# KiCad board weisse_cpu.kicad_pcb (continued)
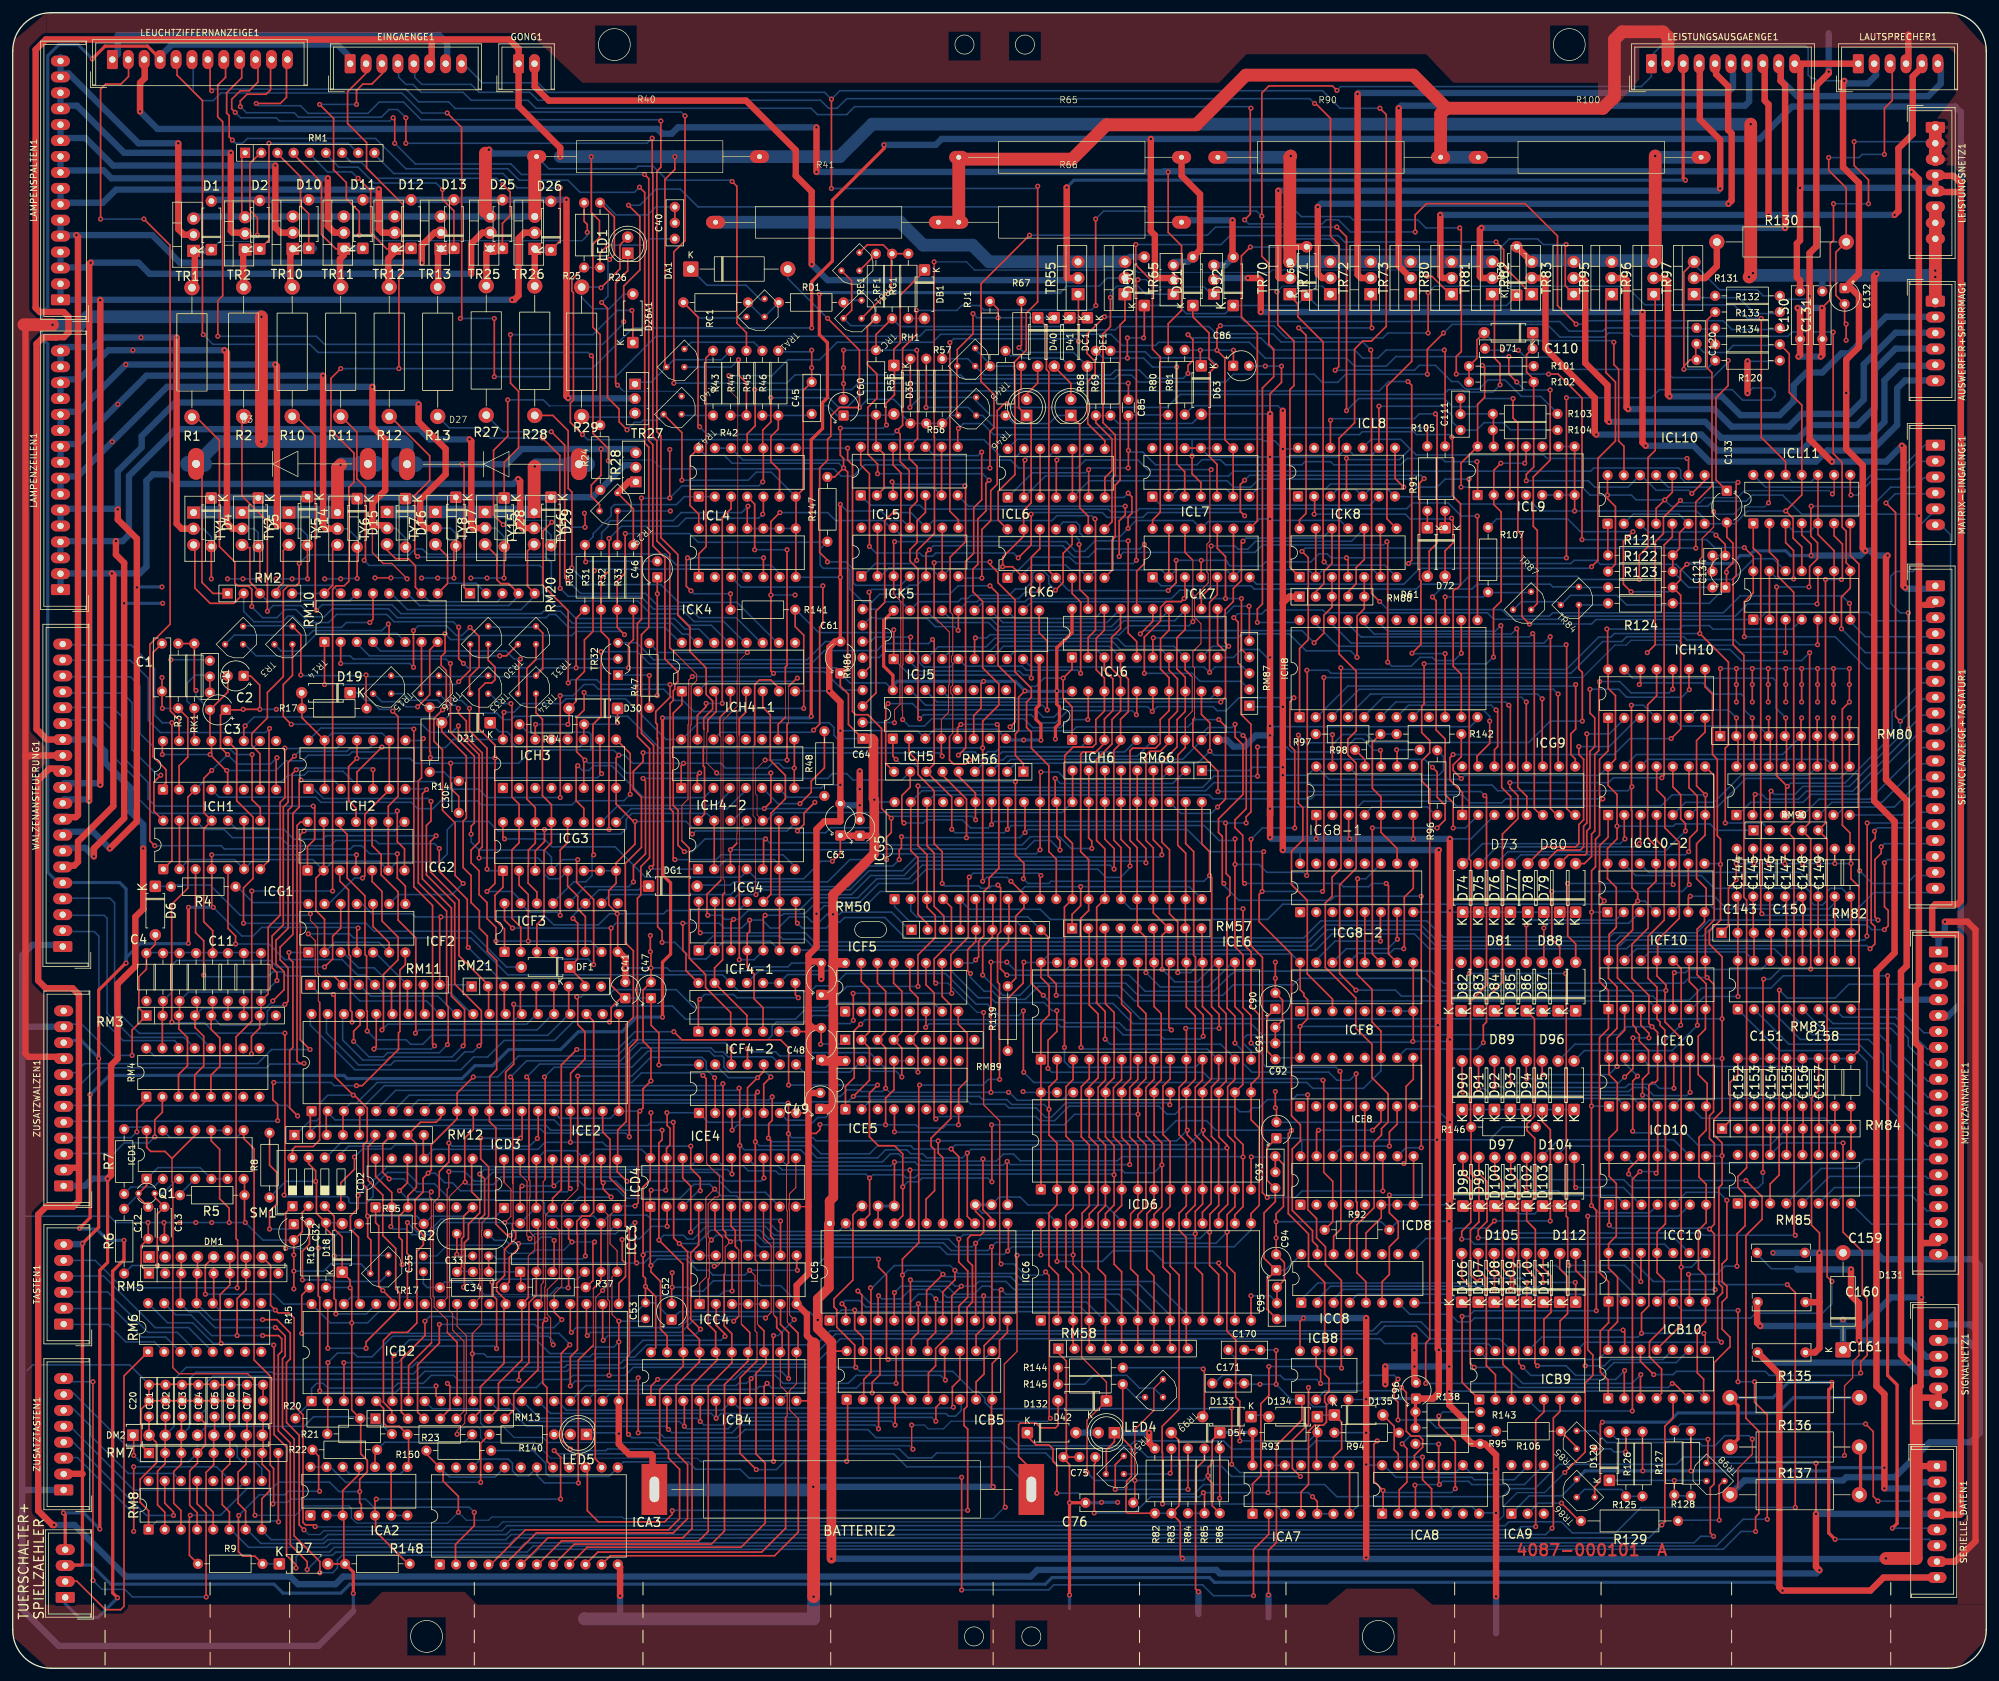
[diagram p0: board, top side]
## Routing (per net, layer and track width the routed paths; a pad name or vN(x,y) marks a point on that pad's centre or on a via; arc(x,y) is an arc through that point) (continued)
PA7: length 578.7
  Top w0.25: v1(211,106.5) 208.43,109.07 208.43,123.02 211.03,125.62 211.03,142.13 209.71,143.45 209.71,145.9 211.03,147.21 211.03,156.61 208.34,159.3 208.34,193.17 210.77,195.6 210.77,207.16 212.04,208.43 213.43,208.43 215.75,210.75 215.75,244 v1(214.75,245) ; v1(128.6,246.43) v1(128.6,232.4) ; 157.32,204.07 157.32,205.12 159.2,207 159.2,212.8 160.99,214.59 160.99,232.74 v1(161,232.75) ; 157.43,203.97 157.43,187.46 154.79,184.83 154.79,180.33 ICK6.14
  Top w0.5: v1(295.25,22) 296,22.75 296,44.5 294.5,46 v1(294.5,108.75)
  Bottom w0.25: v1(214.75,245) 208.5,245 205.75,247.75 129.93,247.75 v1(128.6,246.43) 127.52,247.5 84,247.5 82.5,249 73.78,249 70.78,252 ; v1(161,232.75) 160.65,232.4 v1(128.6,232.4) ; v1(211,106.5) 217.2,106.5 218.14,105.56 257.64,105.56 258.27,104.92 263.35,104.92 265.26,106.83 276.18,106.83 278.1,108.75 v1(294.5,108.75) ; 301.84,22 v1(295.25,22)
PA7in: length 55.4
  Top w0.25: v1(160,155.5) 160,174.5 161.33,175.83 ICK6.12 ; v1(141.05,161.95) 140.92,161.81 ICJ5.2
  Bottom w0.25: 140.92,158.09 142.4,156.61 158.1,156.61 158.73,155.98 159.52,155.98 v1(160,155.5) ; RM86.7 134.76,161.24 135.46,161.95 v1(141.05,161.95)
POWER_GOOD: length 63
  Top w0.25: v1(187.02,27.58) 187.2,27.4 R85.1 ; ICA7.5 204.91,26.2 v1(204.17,26.94) ; C75.1 170.05,32.2 169.88,32.02 v1(169.88,24.4) ; v1(197.19,27.58) 197.29,27.69 ICA7.13
  Bottom w0.25: v1(169.88,24.4) 176.23,24.4 178.74,26.91 186.36,26.91 v1(187.02,27.58) v1(197.19,27.58) 203.54,27.58 v1(204.17,26.94) ; R85.1 R84.1 ; ICA7.13 ICA7.12 ; ICA7.5 ICA7.6
RAM_CE: length 74.7
  Top w0.25: 181.82,70.23 181.82,63.14 183.21,61.74 183.21,40.66 180.55,37.99 180.55,33.93 180.6,33.88 v1(180.6,25.8) ; v1(189.56,26.69) 189.6,26.73 R86.2
  Bottom w0.25: 189.6,25.8 189.56,25.83 v1(189.56,26.69) ; 189.6,25.8 198.28,25.8 ICA7.3 ; 189.6,25.8 v1(180.6,25.8)
RAM_EN: length 133.2
  Top w0.25: v1(200.87,84.48) 200.36,83.97 200.36,71.39 203.54,68.22 203.54,63.14 206.07,60.6 206.07,46.18 206.75,45.5 206.75,43.5 206.07,42.82 206.07,41.81 206.35,41.53 206.35,38.65 205.88,38.18 204.49,38.18 203.54,37.22 203.54,28.85 202.37,27.69 ICA7.4 ; 138.5,87.7 v1(138.5,84.25)
  Bottom w0.25: v1(138.5,84.25) 138.55,84.2 180.95,84.2 182.75,86 187.5,86 189,84.5 200.84,84.5 v1(200.87,84.48)
RAMVCC: length 392.1
  Top w0.2: v1(168.75,30.75) 168.75,38.95 D132.1 171.8,44.95 167.89,48.86 167.89,62.08 166.56,63.41 v1(166.56,64.92) 166.56,70.25 ; v1(157.75,64.85) 157.75,49.75 155.75,47.75 155.75,25.45 v1(155.91,25.29) ; 25.01,80.07 25.01,76.4 25.15,76.27 25.15,47.22 26.12,46.25 36.91,46.25 37.9,45.26 37.9,35 37.93,34.97 37.93,24.15 v1(38.05,24.02) ; 176.25,26.25 v1(176.25,29.5) 176.25,37.5 179.25,40.5 179.25,43.95 TR99.1 ; v1(161.5,64.92) ICC6.28
  Top w0.25: ICD1.14 21.04,81.81 21.67,81.17 23.91,81.17 25.01,80.07 28.66,83.71 ICD1.11 ; D54.1 188.4,35.8 188.4,32.15 187.75,31.5 v1(187.75,30.25) 187.75,29.75 188.4,29.1 188.4,25.54 R86.1 ; 64.98,33.66 ICA3.24 ; v1(70,24.5) 70,27 67.6,29.4 67.6,31.54
  Top w0.5: ICA7.14 194.75,37
  Bottom w0.2: v1(166.56,64.92) v1(161.5,64.92) 157.82,64.92 v1(157.75,64.85) ; v1(155.91,25.29) 155.79,25.29 154.02,23.52 95.98,23.52 95.75,23.75 75.25,23.75 74.75,23.25 71.25,23.25 v1(70,24.5) 68.3,22.8 54,22.8 53.2,23.6 53.2,25.12 52.82,25.5 45.88,25.5 44.4,24.02 v1(38.05,24.02)
  Bottom w0.25: v1(187.75,30.25) 187,29.5 v1(176.25,29.5) 170,29.5 v1(168.75,30.75) ; ICD1.14 20.53,84.98 17.82,84.98 ; ICA3.24 68.62,30.02 75.75,30.02 ICA3.20
  Bottom w0.5: R93.1 189.65,37.05
RESET: length 327.3
  Top w0.25: v1(156.8,123.59) 158.84,121.55 ICG5.9 158.84,119.41 157.54,118.11 157.54,108.35 R139.2 ; RE1.1 134.25,210.64 134.25,204.75 135.75,203.25 135.75,199.44 134.32,198.01 134.32,195.73 134.32,195.72 134.32,190.64 135.84,189.12 v1(135.84,187.6) ; D21.2 67.38,147.12 71.25,143.25 71.25,133.55 70.75,133.05 70.75,125.75 72,124.5 72,120.25 73.3,118.95 73.3,116.25 74.55,115 74.55,112.6 76.01,111.14 76.01,94.01 74.93,92.93 74.93,87.55 ; v1(152.35,123.59) v1(152.35,144.55) 152.35,148.74 154.89,151.28 154.89,154.58 152.35,157.12 152.35,167.53 150.83,169.06 150.83,172.61 151.59,173.38 151.59,180.49 152.86,181.76 152.86,186.08 v1(153.37,186.58) ; v1(78.19,67.97) 77.68,67.97 75.9,69.74 75.9,84.85 74.88,85.87 ICE2.12
  Bottom w0.25: v1(78.19,67.97) 78.95,68.73 93.8,68.73 ICC3.8 ; v1(152.35,123.59) 152.99,124.23 156.16,124.23 v1(156.8,123.59) ; D21.2 68.88,150 76.03,150 77.04,148.99 78.31,148.99 78.82,149.5 96.6,149.5 101.55,144.55 v1(152.35,144.55) ; v1(153.37,186.58) 152.35,187.6 v1(135.84,187.6)
RL0: length 276.3
  Top w0.25: ICB9.1 227.67,44.89 v1(227.67,55.27) ; ICG5.38 143.6,129.17 144.73,128.04 144.73,119.66 146.26,118.13 RM50.3 ; v1(248.75,56.15) 248.75,71.9 v1(247.99,72.67) 247.99,118.74 v1(248,118.75) 248,125.26 248.62,125.88 248.62,130.2 249.25,130.83 249.25,136.04 v1(249.76,136.55) 249.25,137.06 249.25,142.75 250.6,144.1 ICH10.1
  Bottom w0.25: v1(247.99,88.29) 250.71,88.29 ; v1(249.76,136.55) 234.52,136.55 233.89,135.91 228.94,135.91 227.67,137.18 204.55,137.18 203.92,136.55 188.55,136.55 187.93,137.16 144.73,137.16 ICG5.38 ; v1(227.67,55.27) 228.68,55.27 229.57,56.15 v1(248.75,56.15) ; v1(247.99,72.67) 249.13,71.52 257.1,71.52 ICD10.4 ; ICG10-2.1 v1(248,118.75)
RL1: length 282.6
  Top w0.25: v1(254.4,40.4) 254.43,40.43 254.43,76.82 v1(255.61,78) ; ICG5.39 141.06,128.41 142.19,127.28 142.19,118.38 143.72,116.86 RM50.2 ; v1(256,90) 256,92.5 256.96,93.46 256.96,97.04 255.5,98.5 255.5,99.5 255,100 255,100.5 254.5,101 254.5,106 252.07,108.43 252.07,113.57 254.45,115.95 254.45,119.7 v1(255.25,120.5) 255.25,121.66 254.33,122.58 254.33,134.64 254.26,134.71 254.26,151.24 v1(254.25,151.25) ; 258.38,88.24 ICD10.11 258.38,77.98 v1(258.14,77.75)
  Bottom w0.25: ICG5.39 142.84,137.82 187.41,137.82 188.68,139.09 203.66,139.09 204.04,138.71 232.36,138.71 233.25,137.82 253.7,137.82 v1(254.33,138.45) ; v1(258.14,77.75) 257.89,78 v1(255.61,78) ; v1(254.4,40.4) 239.78,40.4 ICB9.4 ; v1(256,90) 256.67,90 258.47,88.2 ; 258.6,148.8 256.14,151.25 v1(254.25,151.25) ; v1(255.25,120.5) 256.37,120.5 ICG10-2.4
RL2: length 274.8
  Top w0.25: v1(265.64,52.6) 265.84,52.4 ICB10.8 ; ICH10.11 258.22,152.72 256.81,151.31 256.81,134.81 256.8,134.8 256.81,134.79 256.81,130.4 258.12,129.08 ICG10-2.11 258.12,123.62 256.88,122.38 256.88,116.23 254.33,113.69 254.33,108.35 257,105.69 257,101.25 v1(257.5,100.75) 258.37,99.88 ICE10.11 258.37,92.37 258,92 257.5,92 257,91.5 257,56.92 255.85,55.76 v1(255.85,52.6) ; RM50.8 160,114.93 160,114.5 159.97,114.47 159.97,107.59 v1(161.88,105.69)
  Bottom w0.25: ICB9.11 240.16,52 255.25,52 v1(255.85,52.6) v1(265.64,52.6) ; v1(161.88,105.69) 163.15,104.41 172.8,104.41 175.98,101.24 194.52,101.24 196.26,99.5 252.25,99.5 253.5,100.75 v1(257.5,100.75) ; RM50.8 157.56,117.38 156.02,117.38 156.02,117.37 154.42,117.37 154.42,117.38 140.79,117.38 138.52,119.65 ICG5.1
RL3: length 282
  Top w0.25: ICH10.8 265.84,154.12 267,152.96 267,143.5 267.75,142.75 267.75,130.75 268.25,130.25 v1(268.25,126.25) 268.25,117.5 266.5,115.75 266.5,113.75 268.5,111.75 v1(268.5,102) v1(268.5,95.75) 268.5,87.5 267.25,86.25 267.25,83.75 268.5,82.5 v1(268.5,80.5) 268.5,76 268,75.5 268,60.4 268.56,59.84 268.56,58.96 267.8,58.2 267.8,51.8 v1(268.4,51.2) ; RM50.9 162.64,114.83 162.64,108.73 163.91,107.46 v1(163.91,105.69)
  Bottom w0.25: v1(268.4,51.2) 246.98,51.2 ICB9.8 ; RM50.9 159.47,118 142,118 141.06,118.94 ICG5.2 ; v1(163.91,105.69) 173.44,105.69 177.12,102 201.63,102 201.63,102 v1(268.5,102) ; ICG10-2.8 268.13,126.37 v1(268.25,126.25) ; v1(268.5,80.5) 268.42,80.42 ICD10.8 ; v1(268.5,95.75) 266.11,95.75
RL4: length 204
  Top w0.25: 148.87,116.04 148.87,120.61 ; ICG10-1.1 250.6,130.53 249.25,129.18 249.25,121.25 v1(250,120.5) 249.25,119.75 249.25,107.84 250.65,106.45 ICF10.1 250.65,100.45 249.25,99.05 249.25,62.13 250.67,60.71 ICC10.1 250.67,54.27 249.38,52.98 249.38,46.5 250.6,45.29 ICB10.1
  Bottom w0.25: ICG5.5 150.28,119.2 161.4,119.2 163,117.6 197.1,117.6 199.5,120 249.5,120 v1(250,120.5)
RL5: length 221.7
  Top w0.25: ICB10.4 259,43.18 259,47 257.1,48.9 257.1,51.3 259.42,53.62 259.42,60.98 258.29,62.11 ICC10.11 258.29,68.49 259.6,69.8 259.6,95.15 259.5,95.25 259.5,100.25 258.75,101 258.75,101.5 258.27,101.98 ICF10.4 258.27,106.96 256.88,108.35 256.88,114.96 259.42,117.5 259.42,125.41 259.5,125.5 259.5,128.75 258.22,130.03 ICG10-1.4 ; 151.27,115.9 151.27,114.12 150,112.86 150,109.56 v1(150.45,109.11) ; 151.41,116.04 151.41,120.61
  Bottom w0.25: v1(150.45,109.11) 150.45,108.48 152.61,106.32 153.9,106.32 155.17,105.05 159.05,105.05 161.08,107.08 173.94,107.08 176.23,104.8 257,104.8 ICF10.4
RL6: length 226.8
  Top w0.25: ICG10-1.11 258.22,137.98 259.5,136.7 259.5,132 261.79,129.72 261.79,117.78 258.38,114.38 258.38,111.25 ; ICF10.11 258.27,108.73 259.67,107.33 v1(259.67,106.45) 259.54,106.32 259.54,101.49 262.08,98.95 v1(262.08,63) 262.08,53.92 258.22,50.06 ; RM50.6 153.88,114.83 152.35,113.31 v1(152.35,108.86) ; 153.95,116.04 153.95,120.61
  Bottom w0.25: ICC10.8 263.69,63 v1(262.08,63) ; v1(152.35,108.86) 155.53,105.69 158.2,105.69 160.1,107.59 174.83,107.59 176.74,105.69 190.07,105.69 191.72,107.34 201.12,107.34 202.14,108.35 221.82,108.35 223.73,106.45 v1(259.67,106.45)
RL7: length 240.3
  Top w0.25: v1(267.42,59.46) 267.29,59.58 267.29,68.22 v1(266.53,68.98) 267.29,69.74 267.29,82.44 266.53,83.21 266.53,86.76 267.16,87.4 267.16,107.46 v1(266.15,108.48) 265.89,108.73 ICF10.8 265.89,116.14 267.25,117.5 267.25,140.21 ICG10-1.8 ; RM50.7 156.42,114.07 155.15,112.8 155.15,109.88 v1(156.16,108.86) ; v1(250.78,69.62) 250.76,69.64 ICD10.1 ; 156.49,116.04 156.49,120.61
  Bottom w0.25: v1(250.78,69.62) 251.29,69.11 266.4,69.11 v1(266.53,68.98) ; v1(156.16,108.86) 175.34,108.86 177.88,106.32 188.68,106.32 191.34,108.99 191.47,108.99 191.96,109.48 222.86,109.48 224.74,107.59 262.46,107.59 263.35,108.48 v1(266.15,108.48) ; ICC10.4 260.15,59.46 v1(267.42,59.46)
ROM_CE_I: length 74.6
  Top w0.25: 181.6,110.54 181.6,100.65 v1(182,100.25) ; ICE5.1 130.8,91.37 132.18,92.75 132.18,100.13 v1(133.2,101.15)
  Bottom w0.25: v1(182,100.25) 181.97,100.22 174.96,100.22 173.82,101.37 165.41,101.37 164.93,101.85 133.9,101.85 v1(133.2,101.15)
ROM_CE_II: length 53.2
  Top w0.25: v1(181.75,88.5) 181.82,88.57 ICD6.20
  Bottom w0.25: v1(181.75,88.5) 181.45,88.8 165.4,88.8 163.11,86.51 162.26,86.51 160.77,88 156.5,88 155.9,88.6 150.5,88.6 149.8,89.3 134.86,89.3 ICE5.2
RST55: length 263.9
  Top w0.15: v1(46.44,115.34) 47.51,114.26 47.51,108.99 48,108.51 48,104.8 48.21,104.59
  Top w0.25: v1(158.8,93.6) 158.75,93.65 v1(158.75,103.25) ; SM1.8 43.94,81.48 44.4,81.94 47.2,81.94 48.2,82.94 48.2,85.74 48.21,85.75 48.21,104.59 ; v1(211.25,124) 211.15,123.91 211.15,108.99 213.5,106.64 213.5,101.5 214.92,100.08 ICE8.11
  Bottom w0.25: ICE8.11 214.92,93.83 212.17,91.08 204.2,91.08 203.28,92 160.4,92 v1(158.8,93.6) ; v1(158.75,103.25) 158.01,102.51 154.89,102.51 153.12,104.29 151.34,104.29 146.53,109.1 130.85,109.1 128.93,107.18 126.18,107.18 125.31,106.3 114.1,106.3 ICF4-2.12 111.5,108.91 77.76,108.91 71.96,114.7 53.55,114.7 52.91,115.34 v1(46.44,115.34) ; ICG8-2.11 212.55,124 v1(211.25,124)
RST55_CPU: length 64.2
  Top w0.25: v1(42.88,65.93) 42.88,71.52 SM1.1 ; v1(66.5,44.34) 66.5,42.72 ICB2.9 ; v1(48.21,43.58) 48.21,58.27 48,58.48 v1(48,66)
  Bottom w0.25: v1(66.5,44.34) 66.25,44.09 60.91,44.09 60.15,43.33 48.47,43.33 v1(48.21,43.58) ; v1(42.88,65.93) 47.93,65.93 v1(48,66) 48.75,66 51.25,68.5 53.2,68.5 54.4,69.7
RST65: length 203.7
  Top w0.2: v1(152.5,103) 152.5,88.5 155.02,85.98 155.02,63.73 v1(155.25,63.5) ; v1(162.25,62.25) 162.8,61.7 162.8,39.45 v1(163,39.25) ; v1(141.2,38.2) 141.2,34.6 v1(141.4,34.4)
  Top w0.25: v1(144.99,107.59) 144.73,107.84 144.73,111.4 147.45,114.12 147.45,119.49 ICG5.4
  Bottom w0.2: v1(162.25,62.25) 161.75,61.75 159,61.75 157.25,63.5 v1(155.25,63.5) ; ICB2.8 65.93,40.75 73,40.75 73.5,40.25 73.5,38.5 74,38 77,38 78.75,36.25 83.25,36.25 84.05,35.45 100.79,35.45 101.3,34.95 140.85,34.95 v1(141.4,34.4) ; v1(152.5,103) 151.5,103 146.91,107.59 v1(144.99,107.59) ; v1(141.2,38.2) 143.2,38.2 143.8,37.6 146.2,37.6 147.4,38.8 162.55,38.8 v1(163,39.25)
RST75: length 392.5
  Top w0.25: v1(98.76,183.79) 98.76,164.74 98.12,164.1 98.12,146.32 100.03,144.42 100.03,127.28 98.65,125.9 98.65,121.45 98.12,120.93 98.12,98.7 96.85,97.43 v1(96.85,83.46) ; v1(119.08,199.54) 119.08,195.73 117.81,194.46 117.81,191.72 ; ICL4.10 117.91,186.43 v1(117.81,186.33) ; 51.54,72.5 51.54,76.25 53.68,78.38 v1(53.68,80.29) ; v1(219.16,202.08) 219.75,201.48 219.75,174 v1(219.25,173.5) ; v1(103.21,183.79) v1(103.21,191.41)
  Bottom w0.25: v1(98.76,183.79) 98.81,183.74 103.16,183.74 v1(103.21,183.79) 105.11,185.69 117.18,185.69 v1(117.81,186.33) ; ICK11.12 276.55,174.25 273.5,174.25 270.25,171 263.64,171 261.27,173.38 249.38,173.38 248.75,174 245.25,174 244.75,173.5 v1(219.25,173.5) ; v1(119.08,199.54) 128.22,199.54 129.64,198.12 131.12,198.12 133.6,200.6 214.63,200.6 216.11,202.08 v1(219.16,202.08) ; v1(53.68,80.29) 54.94,81.55 59.38,81.55 60.03,82.19 65.74,82.19 68.28,84.73 82.88,84.73 83.57,84.05 96.27,84.05 v1(96.85,83.46)
RST75_CPU: length 59.7
  Top w0.15: 65.8,51.13 65.8,57.95 65.6,58.15 65.6,69.07 65.73,69.2 65.73,73.77 65.5,74 65.5,74.58
  Top w0.25: ICB2.7 62.18,47.51 65.8,51.13 ; RM12.7 58.12,82.38 58.12,77.87 v1(59.14,76.86) ; v1(65.74,74.82) 65.5,74.58
  Bottom w0.25: 59.92,84 57.92,82 52.75,82 51.54,80.79 ; v1(59.14,76.86) 61.42,76.86 63.45,74.82 v1(65.74,74.82)
Ru: length 322.3
  Top w0.25: v1(247.4,71) 247.4,50 248.2,49.2 248.2,46 247,44.8 247,33.96 v1(243.79,30.75) ; v1(47.5,22.25) 47.25,22.5 46,22.5 45.6,22.9 45.6,39.8 44.2,41.2 44.2,55 43.4,55.8 41.7,55.8 v1(41.25,56.25) 40.5,57 40.5,63.28 DM1.8 ; RM5.5 31.56,57.46
  Bottom w0.2: v1(47.5,22.25) 47.55,22.2 76.2,22.2 77,23 233.2,23 234.2,24 234.2,25.48 236.3,27.58 240.62,27.58 v1(243.79,30.75)
  Bottom w0.25: v1(41.25,56.25) 41.19,56.19 32.54,56.19 RM6.12 ; ICD10.6 261.66,71 v1(247.4,71)
RuM: length 36.8
  Top w0.25: RM83.13 278.59,115.47 ; 278.6,121 278.6,115.54
  Bottom w0.25: RM83.13 276.71,113 255.05,113 ICF10.13
RxD: length 188.3
  Top w0.25: v1(96.73,36.72) 96.47,36.98 96.47,48.79 96.85,49.17 96.85,68.79 96.22,69.43 96.22,74.57 93.82,76.96 93.82,83.06 92.66,84.22 ICE2.19 ; v1(221.44,33.17) 221.45,33.15 221.45,29.6 222.87,28.18 222.87,24.44
  Bottom w0.25: v1(221.44,33.17) 178.26,33.17 176.99,34.44 156.42,34.44 155.15,35.71 101.55,35.71 101.05,36.22 97.24,36.22 v1(96.73,36.72)
S0: length 435.1
  Top w0.25: v1(93.55,189.63) 93.55,191.54 91.14,193.95 91.14,205.89 v1(90.89,206.14) ; v1(207.98,226.33) 209.5,224.81 v1(209.5,197.51) ; v1(238.25,164) 237.06,165.19 237.06,177.95 236.43,178.58 236.43,195.6 235.67,196.36 v1(235.67,199.41) ; v1(153.5,188.49) 153.5,194.2 154.13,194.84 154.13,200.05 152.1,202.08 152.1,217.44 v1(159.72,225.06) ; 25.81,252.65 25.81,250.19 29.8,246.2 29.8,209.57 v1(29.93,209.44)
  Bottom w0.15: v1(93.55,189.63) 93.68,189.76 100.54,189.76 101.94,188.36
  Bottom w0.25: v1(159.72,225.06) 187.66,225.06 188.93,226.33 v1(207.98,226.33) ; v1(209.5,197.51) 211.41,199.41 224.87,199.41 226.14,198.14 229.82,198.14 231.09,199.41 v1(235.67,199.41) ; 101.94,188.36 128.99,188.36 130.13,187.22 132.03,187.22 133.81,189 139.53,189 140.04,188.49 v1(153.5,188.49) ; 301.58,164.5 292.75,164.5 291.43,165.82 275.38,165.82 274.26,164.7 248.7,164.7 248,164 v1(238.25,164) ; v1(90.89,206.14) 90.38,206.65 47.96,206.65 46.69,207.92 31.45,207.92 v1(29.93,209.44)
S1: length 370.7
  Top w0.25: v1(68.25,244.25) 70.5,242 70.5,235 70.52,234.98 70.52,212.19 v1(70.31,211.98) ; v1(75.65,211.98) v1(75.65,202.84) ; v1(288.5,167.25) 288.64,167.11 ICK11.7 ; v1(214.71,167.53) 213.44,168.8 213.44,206.9 v1(213.31,207.03)
  Bottom w0.25: 288.64,164.36 291,162 301.62,162 ; v1(288.5,167.25) 287.33,168.42 271.35,168.42 268.69,165.76 241.89,165.76 241.38,165.25 234.9,165.25 233.89,166.26 215.98,166.26 v1(214.71,167.53) ; v1(75.65,202.84) 94.7,202.84 101.05,209.19 142.45,209.19 143.46,210.21 173.18,210.21 173.69,210.71 187.91,210.71 189.06,209.57 197.95,209.57 199.22,208.3 212.04,208.3 v1(213.31,207.03) ; 28.35,252.65 28.35,247.65 29.8,246.2 31.5,246.2 32.7,247.4 61.1,247.4 64.25,244.25 v1(68.25,244.25) ; v1(70.31,211.98) v1(75.65,211.98)
S2: length 378.9
  Top w0.25: v1(31.25,247.75) 31,248 31,252.04 ; v1(224.74,209.7) 222.2,207.16 v1(222.2,203.22) ; v1(287.25,163.25) 287.25,168.25 288.64,169.64 ICK11.8 ; 288.64,172.98 287.99,173.63 287.99,178.58 287.36,179.22 287.36,189.38 285.96,190.78 v1(285.96,209.82) ; v1(103.84,201.82) 103.84,222.44 105.6,224.2 v1(105.6,243.8)
  Bottom w0.25: v1(287.25,163.25) 291,159.5 301.42,159.5 ; v1(222.2,203.22) 209.38,203.22 208.11,201.95 205.69,201.95 204.42,203.22 191.72,203.22 190.5,202 176.82,202 175.72,203.09 173.59,203.09 173,202.5 149.5,202.5 148.88,203.12 122.88,203.12 121.57,201.82 v1(103.84,201.82) ; v1(285.96,209.82) 285.91,209.88 279.53,209.88 278.85,209.19 254.46,209.19 253.95,209.7 250.65,209.7 250.02,209.06 243.03,209.06 241.05,211.05 239.51,211.05 239.51,211.05 238.49,211.05 238.49,211.05 232.28,211.05 232.28,211.05 230.48,211.05 230.48,211.05 226.1,211.05 v1(224.74,209.7) ; v1(105.6,243.8) 105,244.4 80.44,244.4 79.88,244.96 69.51,244.96 68.47,246 63.75,246 61.75,248 31.5,248 v1(31.25,247.75)
S3: length 404.3
  Top w0.25: 33.43,252.65 33.43,249.86 32.2,248.63 32.2,243.65 32.97,242.88 32.97,215.54 32.21,214.78 v1(32.21,209.19) ; v1(272,162) 272,167.5 273.4,168.9 ICK11.14 273.4,174.6 v1(272,176) ; v1(96.73,229.76) 98.51,227.99 98.51,219.6 95.97,217.06 v1(95.97,211.48) ; v1(226.75,203.25) 226.75,206 227.54,206.79 227.54,225.95 v1(227.28,226.21) ; v1(246.5,177.25) 246.5,199.5 242.75,203.25 v1(241.25,203.25)
  Bottom w0.25: v1(227.28,226.21) 221.95,226.21 220.68,227.48 210.52,227.48 210.01,227.99 202.39,227.99 200.87,229.51 107.65,229.51 104.86,232.3 101.05,232.3 98.51,229.76 v1(96.73,229.76) ; v1(246.5,177.25) 266.08,177.25 267.33,176 v1(272,176) ; v1(272,162) 286.25,162 291.25,157 301.38,157 ; v1(32.21,209.19) 47.71,209.19 48.98,207.92 92.66,207.92 95.97,211.22 v1(95.97,211.48) ; v1(241.25,203.25) v1(226.75,203.25)
SELECT_EXROM: length 43.5
  Top w0.25: 143.45,69.95 143.45,73.65 144.8,75 144.8,81.45 144.25,82 144.25,83.25 147.35,86.35 147.35,104.15 145.99,105.51 ICF5.10
SELECT_IO: length 87.2
  Top w0.25: ICE2.13 77.42,93.62 78.69,94.89 v1(78.69,104.29)
  Bottom w0.25: ICF5.7 144.6,104.54 129.54,104.54 128.27,103.27 124.27,103.27 122.94,101.94 105.68,101.94 103.62,104 78.98,104 v1(78.69,104.29)
SELECT_KEYBOARD: length 85.4
  Top w0.25: v1(143.4,100.65) 143.45,100.7 ICF5.6 ; ICG5.22 184.24,129.51 185.5,128.25 185.5,116.67 185.5,116.67 185.5,115.73 185.5,115.73 185.5,111.98 185.77,111.71 185.77,103.82 187,102.6 v1(187,99.25)
  Bottom w0.25: v1(187,99.25) 186.58,98.83 180.82,98.83 180.19,99.46 174.45,99.46 173.18,100.73 164.63,100.73 164.17,101.2 143.95,101.2 v1(143.4,100.65)
SELECT_PER: length 49.7
  Top w0.25: v1(151.25,111.25) 151.72,111.72 151.72,114.19 152.54,115.01 152.54,122 153.37,122.83 153.37,124.1 154.89,125.62 154.89,147.98 v1(154.64,148.23) ; v1(148.93,148.23) 148.41,147.72 ICH5.5
  Bottom w0.25: ICF5.9 150.77,110.77 v1(151.25,111.25) ; v1(148.93,148.23) v1(154.64,148.23)
SELECT_RTC: length 168.2
  Top w0.25: v1(208.74,47.14) 208.69,47.19 208.69,60.9 206.2,63.39 206.2,66.19 204.81,67.58 204.81,70.63 203.41,72.03 v1(203.41,90.06) ; v1(197.31,47.39) 197.31,42.82 196.04,41.55 196.04,30.25 194.75,28.95 ICA7.1 ; ICF5.11 143.45,107.35 144.73,106.07 144.73,86.51 v1(144.99,86.25)
  Bottom w0.25: v1(197.31,47.39) 208.49,47.39 v1(208.74,47.14) ; v1(203.41,90.06) 201.76,90.06 201,89.3 197.06,89.3 195.79,88.03 194.77,88.03 194.14,87.4 192.74,87.4 191.98,88.16 183.72,88.16 182.58,87.02 181.31,87.02 180.04,88.29 165.94,88.29 163.66,86 161.37,86 160.72,86.65 146.66,86.65 146.64,86.63 145.37,86.63 v1(144.99,86.25)
SID: length 24.2
  Top w0.25: ICB2.5 58.25,40.81 58.25,38.5 58.75,38 60.72,38 R23.1 ; 62.18,36.54 62.18,31.81
  Bottom w0.25: ICA2.8 60.87,30.5 52.96,30.5 ICA2.12
SK: length 375.2
  Top w0.25: ICD10.12 253.83,78.41 v1(253.83,77.62) ; v1(41.25,53.5) 41.5,53.5 42.8,52.2 42.8,49.05 42.37,48.62 42.37,37.83 44.2,36 44.2,20.8 48.25,16.75 v1(48.25,15) ; DM1.3 RM5.3 ; v1(272.24,76.6) 274.78,74.06 274.78,70.51 272.24,67.97 272.24,39.26 274.27,37.23 274.27,24.28 273.77,23.77 v1(273.77,21.48) ; RM6.14 26.34,61.86
  Bottom w0.25: v1(48.25,15) 50.25,15 51,15.75 51,17 51.75,17.75 81.56,17.75 82.5,18.69 268.69,18.69 271.48,21.48 v1(273.77,21.48) ; RM6.14 27.66,56 29.25,56 31.75,53.5 v1(41.25,53.5) ; v1(253.83,77.62) 254.84,76.6 v1(272.24,76.6)
SL0: length 320.7
  Top w0.2: ICK11.3 278.48,159.55 v1(278.46,159.53)
  Top w0.25: v1(159,131.25) 159,135.88 ; 146.05,140.26 149.81,136.5 v1(149.81,130.44) ; v1(139.25,127) 139.25,128.5 139.6,128.85 v1(139.6,130.6) ; v1(205.75,122) 205.95,122.2 v1(205.95,155.6) ; v1(196.5,128.25) 196.3,128.05 196.3,122.05 v1(196.25,122) 195.79,121.54 195.79,117.24 200.87,112.16 200.87,86.76 202.26,85.37 202.26,82.82 201,81.56 201,71.9 204.17,68.73 204.17,67.08 204.94,66.31 ICC8.15
  Bottom w0.2: v1(278.46,159.53) 271.35,159.53 270.21,160.68 262.46,160.68 261.7,161.44 254.21,161.44 253.45,160.68 251.67,160.68 246.59,155.6 232.24,155.6
  Bottom w0.25: v1(196.25,122) v1(205.75,122) ; v1(139.6,130.6) 139.75,130.45 158.2,130.45 v1(159,131.25) 159.47,131.72 184.48,131.72 187.95,128.25 v1(196.5,128.25) ; v1(139.25,127) 138.25,126 134.5,126 131.25,122.75 114,122.75 112.75,121.5 93.87,121.5 ICF3.10 ; v1(205.95,155.6) 232.24,155.6
SL1: length 391.3
  Top w0.25: RM56.7 144.73,142.02 144.73,161.31 v1(144.48,161.56) ; 143.53,140.8 147.5,136.83 v1(147.5,131.75) ; v1(156.25,131.75) 156.3,131.8 ICG5.33 ; v1(208.49,93.75) 208.62,93.62 208.62,68.98 207.48,67.85 ICC8.14 ; v1(92.41,159.66) 92.41,149.5 91.14,148.23 91.14,147.59 91.11,147.57 91.11,127.89 v1(91.25,127.75) ; v1(203.28,156.74) 203.35,156.68 203.35,124.59 v1(203.25,124.5) ; 283.5,164.64 v1(283.5,160.75) ; v1(192,130.25) v1(192,126.25) 191.98,126.23 191.98,113.31 193.25,112.03 193.25,103.78 194.52,102.51 v1(194.52,98.19)
  Bottom w0.25: v1(203.28,156.74) 206.58,156.74 207.07,156.25 244.75,156.25 249.75,161.25 252.75,161.25 253.5,162 262.5,162 263,161.5 270.5,161.5 271.25,160.75 v1(283.5,160.75) ; v1(194.52,98.19) 196.42,96.29 196.42,94.89 196.93,94.38 207.85,94.38 v1(208.49,93.75) ; v1(144.48,161.56) 143.85,160.93 136.86,160.93 135.76,159.83 127.5,159.83 125.43,157.75 100.03,157.75 98.12,159.66 v1(92.41,159.66) ; 84.87,120.25 88.12,123.5 90,123.5 91,124.5 91,127.5 v1(91.25,127.75) ; v1(192,130.25) 191.75,130 189.5,130 187.14,132.35 156.86,132.35 v1(156.25,131.75) 155.71,131.21 148.04,131.21 v1(147.5,131.75) ; v1(203.25,124.5) 202.75,125 197,125 195.75,126.25 v1(192,126.25)
SL2: length 359.2
  Top w0.25: RM56.8 140.97,138.37 139.65,137.05 139.65,133.1 v1(140,132.75) ; ICK11.10 283.56,167.29 v1(283.42,167.15) ; v1(191.98,98.19) 191.98,102.42 190.75,103.65 190.75,121 191.2,121.45 191.2,124.2 190.6,124.8 190.6,132.65 v1(190.5,132.75) ; v1(153.75,132.5) 153.76,132.51 ICG5.34 ; v1(191.8,165) 192.49,164.31 192.49,157.88 193,157.37 193,149.75 194.5,148.25 194.5,134.5 193.75,133.75 v1(193.75,132.75) ; v1(211.03,93.37) 211.03,73.3 211.15,73.17 211.15,70.89 210.02,69.75 ICC8.13 ; v1(99,139.75) 99.4,139.35 99.4,127.91 97.5,126.01 v1(97.5,123.5)
  Bottom w0.25: v1(97.5,123.5) 96.75,122.75 89.91,122.75 87.41,120.25 ; v1(99,139.75) 128,139.75 128.75,140.5 131,140.5 132,139.5 139.67,139.5 RM56.8 ; v1(211.03,93.37) 210.01,92.35 207.98,92.35 206.71,93.62 194.64,93.62 193.25,95.02 193.25,96.92 v1(191.98,98.19) ; v1(283.42,167.15) 272.5,167.15 270.59,165.25 244.05,165.25 243.54,164.74 232.66,164.74 231.64,165.76 206.24,165.76 205.8,166.2 196.8,166.2 196.2,165.6 192.4,165.6 v1(191.8,165) ; v1(193.75,132.75) v1(190.5,132.75) 190.26,132.99 154.24,132.99 v1(153.75,132.5) 153.22,131.97 150.45,131.97 149.17,133.25 143.5,133.25 143,132.75 v1(140,132.75)
SL3: length 133.1
  Top w0.25: RM56.5 148.59,140.06 151.22,137.43 ICG5.35 151.22,133.28 v1(151.25,133.25) ; v1(131.14,191.62) 131.14,189.76 131.91,189 131.91,150.26 132.42,149.75 134.32,149.75 136.48,147.59 136.48,135.02 v1(138,133.5) 138,131.25 137.25,130.5 v1(137.25,127)
  Bottom w0.25: 107.67,123 112.75,123 113.25,123.5 128,123.5 131.5,127 v1(137.25,127) ; v1(138,133.5) 138.31,133.81 150.69,133.81 v1(151.25,133.25) ; ICL4.9 ICL4.8 v1(131.14,191.62)
SL3BL: length 26
  Top w0.25: 87.5,109.96 89.87,107.59 ; v1(88,117.75) 88.75,117 88.75,111.38 DF1.1
  Bottom w0.25: DG1.1 98.89,122.83 98.31,122.25 92.08,122.25 ICF3.11 88,118.17 v1(88,117.75)
SOUND_CLOCK: length 25
  Top w0.25: R97.1 213.57,145.44 213.57,138.2 214.92,136.84 ICG8-1.5 214.92,131.28 217.46,128.74 ICG8-2.10
  Bottom w0.25: R97.1 R142.1
SOUND_D0: length 79.1
  Top w0.15: v1(139.78,148.99) 139.78,150.39 139.71,150.46 139.71,157.49 139.84,157.62 139.84,168.23 139.5,168.57
  Top w0.25: ICL5.12 138.28,188.97 139.5,187.75 139.5,168.57 ; ICH6.19 168.94,149.07 v1(168.86,148.99)
  Bottom w0.25: v1(168.86,148.99) 165.82,148.99 164.55,147.72 160.23,147.72 158.83,149.12 144.35,149.12 143.21,147.98 140.8,147.98 v1(139.78,148.99)
